# Altium PCB STM32F4 Control Board.PcbDoc (continued)
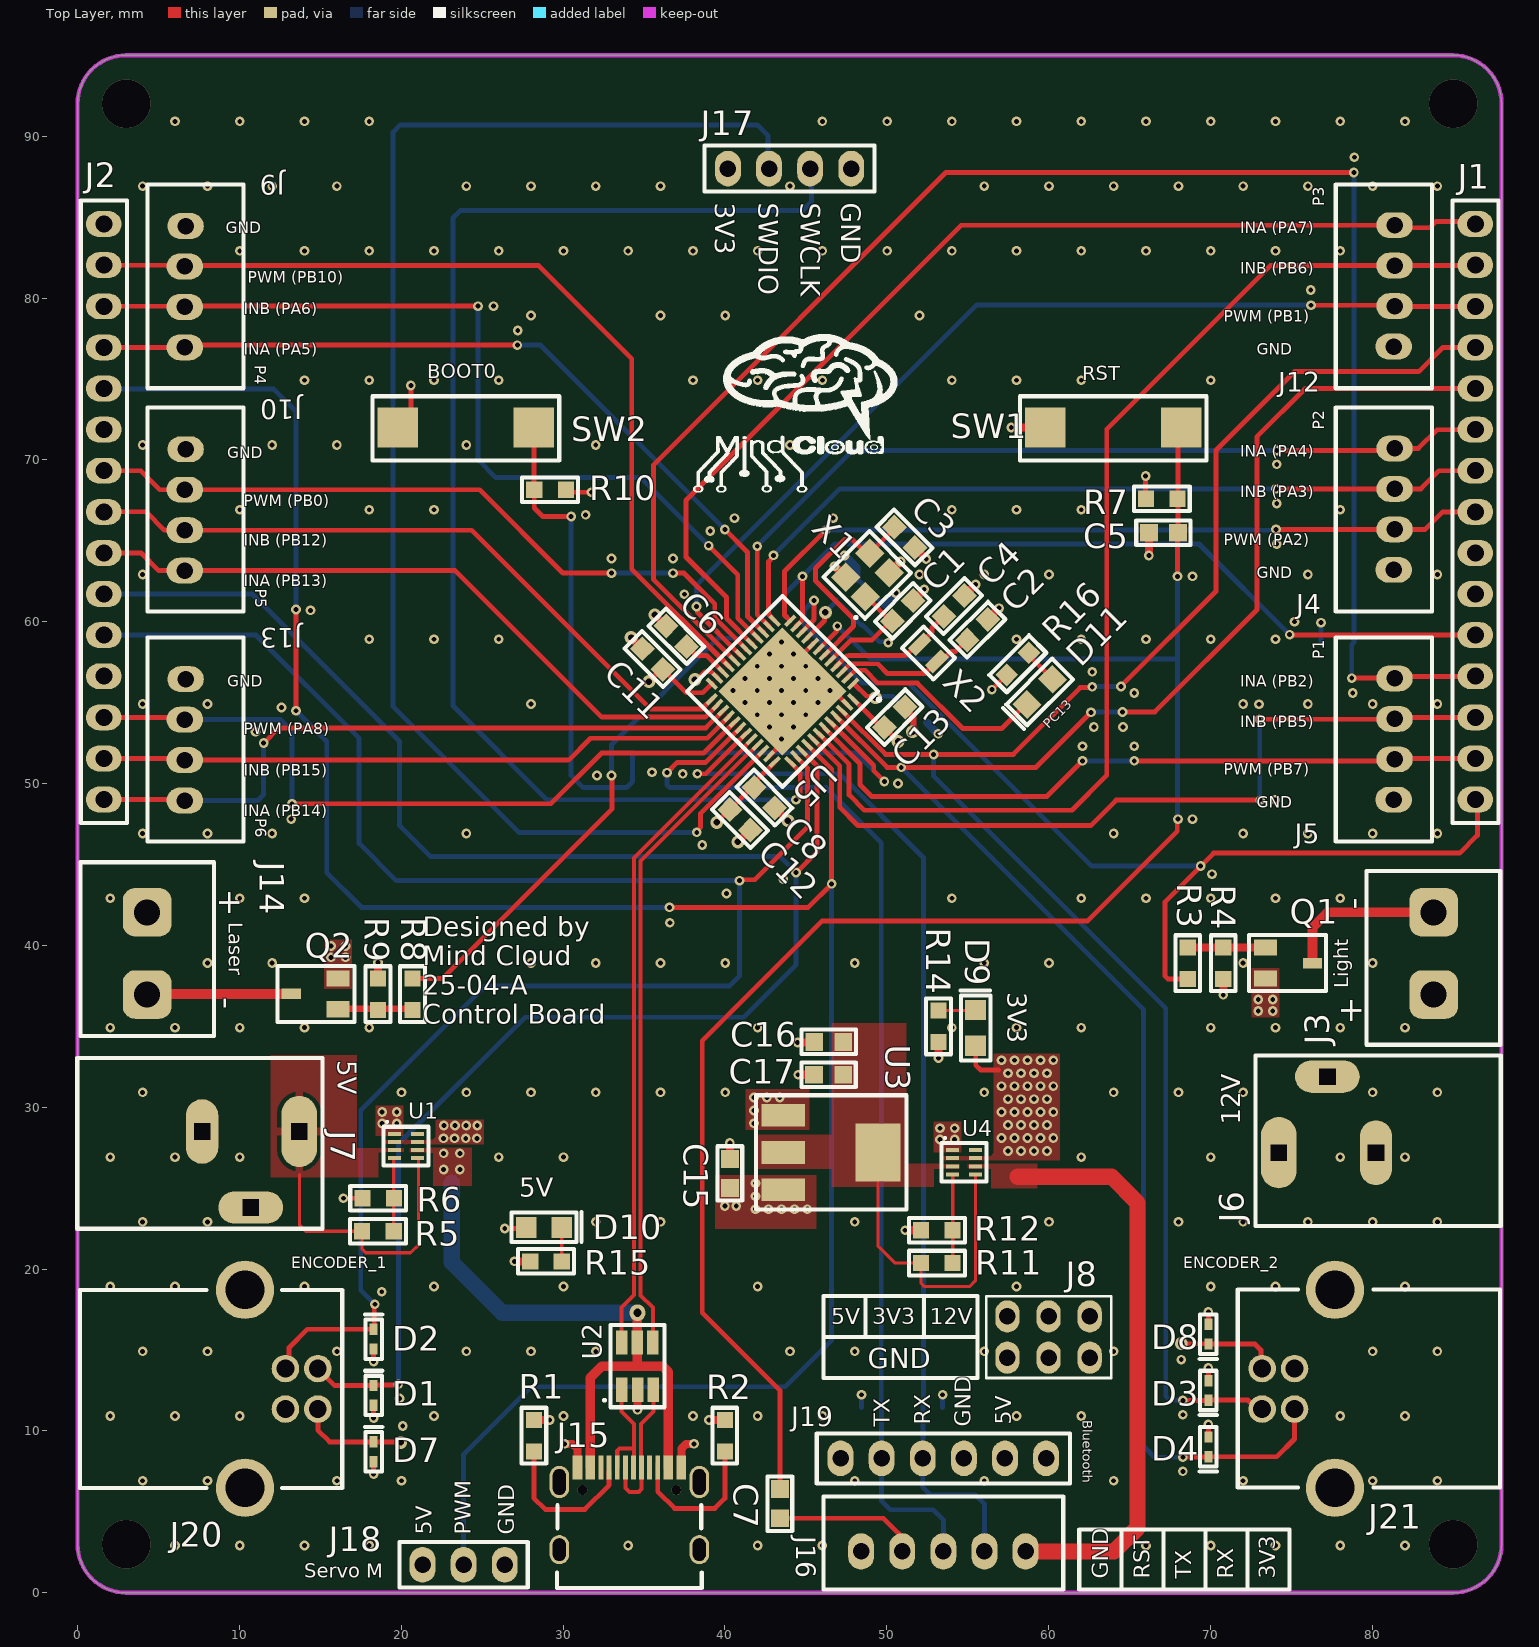
[diagram p0: Top Layer view]
## Footprints (in the part's own frame and the unit in brackets; to place one, negate y for a bottom-side part, rotate by r counter-clockwise, add the part's x,y. Pads: shape width x height; smd on the part's side, far side on the other; paste and mask are expansions set on the pad)
"1 N CHANNEL MOSFET" [mm]
  rect 1.2x0.65 smd: D(1.786,-0.142)
  rect 1.4x1 smd: G(-1.114,0.808) S(-1.114,-1.092)
  silkscreen extent -2.13,-1.88 2.62,1.6, body extent -1.13,-1.64 1.7,1.36, height 1.2
"2X3 PINS" [mm]
  oval 1.5x2 hole 1.02: 1(-2.54,-1.27) 2(0,-1.27) 3(2.54,-1.27) 4(2.54,1.27) 5(0,1.27) 6(-2.54,1.27)
  silkscreen extent -3.85,-2.52 3.88,2.52, body extent -3.84,-2.56 3.78,2.52, height 8.38
"25MHZ CRYSTAL OSCILLATORS" [mm]
  rect 1.3x1.3 smd: 1(-1.05,-0.85) 2(-1.05,0.85) 2(1.05,-0.85) 3(1.05,0.85)
  silkscreen extent -2.4,-1.8 2.01,1.83, body extent -1.6,-1.25 1.6,1.25, height 0.8
"32.768 KHZ CRYSTAL OSCILLATOR" [mm]
  rect 0.7x1.4 smd: 1(-0.75,0) 2(0.75,0)
  silkscreen extent -1.37,-0.94 1.35,0.94, body extent -1,-0.6 1,0.6, height 0.6
"0603 CAP" [mm] "Chip Capacitor, 2-Leads, Body 1.60x0.80mm, IPC Medium Density"
  rect 1.1x1.1 smd: 1(-0.9,0) 2(0.9,0)
  silkscreen extent -1.68,-0.76 1.68,0.76, body extent -0.8,-0.4 0.8,0.4, height 0.94
"0603 RES" [mm] "100mW Thick Film Resistors 75V ±100ppm/? ±5% 1kO 0603 Chip Resistor - Surface Mount ROHS"
  rect 1x1 smd: 1(-0.975,0) 2(0.975,0)
  silkscreen extent -1.73,-0.76 1.73,0.76, body extent -0.8,-0.4 0.8,0.4, height 0.45
"DC JACK" [mm]
  oval 2.2x4.4 hole 1 square: 1(5.154,0.928)
  oval 2x4 hole 1 square: 2(-0.846,0.928)
  oval 4x2 hole 1 square: 3(2.154,-3.772)
  silkscreen extent -8.56,-5.08 6.6,5.46, body extent -8.42,-3.91 6.18,5.44, height 11
"ESD PROTECTION DIODE" [mm]
  rect 0.7x0.5 smd: 1(-0.61,0) 2(0.61,0)
  silkscreen extent -1.22,-0.53 1.52,0.53, body extent -0.8,-0.4 0.8,0.4, height 0.77
"JST 4PIN" [mm]
  oval 1.6x2.25 hole 1.02: 1(-3.75,0.051) 2(-1.25,0) 3(1.25,0) 4(3.75,0)
  silkscreen extent -6.32,-2.31 6.27,3.63, body extent -6.2,-2.21 6.2,3.59, height 9.6
"JST 5 PIN 2.5 MM" [mm]
  oval 1.6x2.25 hole 1.02: 1(5.08,0) 2(2.54,0) 3(0,0) 4(-2.54,0) 5(-5.08,0)
  silkscreen extent -7.41,-2.35 7.41,3.4, body extent -7.44,-2.33 7.46,3.42, height 7
"LED 0805" [mm]
  rect 1.25x1.3 smd: 1(-1.1,0) 2(1.1,0)
  silkscreen extent -2.01,-0.91 2.31,0.94, body extent -1.03,-0.6 0.97,0.65, height 0.41
"PIN HEADER 3 PIN" [mm]
  oval 1.6x2.2 hole 1.02: 1(-2.54,0) 2(0,0) 3(2.54,0)
  silkscreen extent -3.96,-1.4 3.96,1.4, body extent -3.81,-1.2 3.81,1.2, height 8.38
"PIN HEADER 4PIN" [mm]
  oval 1.6x2.2 hole 1.02: 1(-3.81,0) 2(-1.27,0) 3(1.27,0) 4(3.81,0)
  silkscreen extent -5.26,-1.42 5.26,1.42, body extent -5.08,-1.27 5.08,1.27, height 9.5
"PIN HEADER 6 PIN" [mm] "3A Policy 2.5mm 6mm 4P -40℃~+105℃ 2.54mm Single Row 1x4P Plugin,P=2.54mm Pin Headers ROHS"
  oval 1.6x2.2 hole 1.02: 1(-6.35,0) 2(-3.81,0) 3(-1.27,0) 4(1.27,0) 5(3.81,0) 6(6.35,0)
  silkscreen extent -7.82,-1.55 7.82,1.55, body extent -7.62,-1.27 7.62,1.27, height 8.5
"PIN HEADERS 15 PIN" [mm]
  oval 1.6x2.2 hole 1.05 paste-2539.97 mask+0.05: 1(-17.78,0) 2(-15.24,0) 3(-12.7,0) 4(-10.16,0) 5(-7.62,0) 6(-5.08,0) 7(-2.54,0) 8(0,0) 9(2.54,0) 10(5.08,0) 11(7.62,0) 12(10.16,0) 13(12.7,0) 14(15.24,0) 15(17.78,0)
  silkscreen extent -19.23,-1.42 19.23,1.42, body extent -19.05,-1.27 19.05,1.27, height 9.5
"POWER DISTRIBUTION" [mm] "1.6V~5.5V 42mO 2.5A 1 SOT-583 Power Distribution Switches ROHS"
  rect 0.8x0.25 smd: 1(-0.72,0.75) 2(-0.72,0.25) 3(-0.72,-0.25) 4(-0.72,-0.75) 5(0.72,-0.75) 6(0.72,-0.25) 7(0.72,0.25) 8(0.72,0.75)
  silkscreen extent -1.4,-1.19 1.4,1.52, body extent -0.85,-1.05 0.75,1.05, height 0.6
"PUSH BUTTON" [mm]
  rect 2.5x2.5 smd: 1(-4.2,0) 2(4.2,0)
  silkscreen extent -5.77,-1.93 5.77,2.03, body extent -4.08,-1.8 3.92,1.9, height 2.5
ROZITA [mm]
  rrect50% 3x3 hole 1.6: 1(-2.54,0) 2(2.54,0)
  silkscreen extent -5.64,-4.11 5.11,4.14, body extent -5.62,-4.06 5.11,4.09, height 9.97
ST_LDO [mm] "SOT223, 4-Leads, Body 6.50x7.00mm (avg), Pitch 2.30mm, IPC Medium Density"
  rect 2.7x1.4 smd: 1(-2.925,2.3) 2(-2.925,0) 3(-2.925,-2.3)
  rect 2.8x3.6 smd: 2(2.925,0)
  silkscreen extent -4.6,-3.53 4.7,3.53, body extent -3.52,-3.35 3.77,3.35, height 1.81
"STM32 UFQFPN-48" [mm] "QFN, 48-Leads, Body 7.00x7.00mm, Pitch 0.50mm, Thermal Pad 5.60x5.60mm, IPC Medium Density"
  rect 0.85x0.25 smd paste-2539.97: 1(-3.425,2.75) 2(-3.425,2.25) 3(-3.425,1.75) 4(-3.425,1.25) 5(-3.425,0.75) 6(-3.425,0.25) 7(-3.425,-0.25) 8(-3.425,-0.75) 9(-3.425,-1.25) 10(-3.425,-1.75) 11(-3.425,-2.25) 12(-3.425,-2.75) 25(3.425,-2.75) 26(3.425,-2.25) 27(3.425,-1.75) 28(3.425,-1.25) 29(3.425,-0.75) 30(3.425,-0.25) 31(3.425,0.25) 32(3.425,0.75) 33(3.425,1.25) 34(3.425,1.75) 35(3.425,2.25) 36(3.425,2.75)
  rect 0.25x0.85 smd paste-2539.97: 13(-2.75,-3.425) 14(-2.25,-3.425) 15(-1.75,-3.425) 16(-1.25,-3.425) 17(-0.75,-3.425) 18(-0.25,-3.425) 19(0.25,-3.425) 20(0.75,-3.425) 21(1.25,-3.425) 22(1.75,-3.425) 23(2.25,-3.425) 24(2.75,-3.425) 37(2.75,3.425) 38(2.25,3.425) 39(1.75,3.425) 40(1.25,3.425) 41(0.75,3.425) 42(0.25,3.425) 43(-0.25,3.425) 44(-0.75,3.425) 45(-1.25,3.425) 46(-1.75,3.425) 47(-2.25,3.425) 48(-2.75,3.425)
  rect 5.6x5.6 smd: 47(0,0)
  silkscreen extent -4.17,-4.17 4.17,4.67, body extent -3.55,-3.55 3.55,3.55, height 0.6
"USB C ESD" [mm]
  rect 1.5x0.7 smd: 1(-1.46,0.978) 2(-1.46,-0.013) 3(-1.46,-0.978) 4(1.46,-0.953) 5(1.46,0.013) 6(1.46,0.978)
  silkscreen extent -2.54,-1.68 2.54,2.06, body extent -1.5,-1.52 1.5,1.52, height 1.45
"USB TYPE-C" [mm] "5A 1 16P Female Type-C SMD USB Connectors ROHS"
  oval 1.2x1.8 hole 0.8 slot 1.4 at 90 deg: 0(-4.325,-2.539) 0(4.325,-2.539)
  oval 1.2x2 hole 0.8 slot 1.6 at 90 deg: 0(-4.325,1.641) 0(4.325,1.641)
  rect 0.6x1.5 smd paste-100: 0(-3.21,2.539) 0(3.21,2.539) VBUS(-2.41,2.539) VBUS(2.41,2.539)
  rect 0.3x1.5 smd paste-100: A5(-1.25,2.539) A6(-0.25,2.539) A7(0.25,2.539) A8(1.25,2.539) B5(1.75,2.539) B6(0.75,2.539) B7(-0.75,2.539) B8(-1.75,2.539)
  round 0.6 hole 0.6: ""(-2.9,1.141) ""(2.9,1.141)
  silkscreen extent -4.47,-4.9 4.47,0.2, body extent -4.47,-5.07 4.47,2.83, height 3.24
USBB [mm]
  round 1.7 hole 1.1 copper offset 0,0: 1(1.25,2.25) 2(-1.25,2.25) 3(-1.25,0.25) 4(1.25,0.25)
  round 3.6 hole 2.4: 5(-6.116,-2.25) 5(6.116,-2.25)
  silkscreen extent -6.1,-12.45 6.14,3.76, body extent -7.24,-12.64 7.26,3.86, height 10.7

## Part data
C1 C2 C3 C4: library part 10pf, "50V 10pF NP0 ±5% 0603 Multilayer Ceramic Capacitors MLCC - SMD/SMT ROHS", Manufacture=YAGEO, Manufacture part number=CC0603JRNPO9BN100, supplier part number=C106245, Link=https://www.lcsc.com/product-detail/Multilayer-Ceramic-Capacitors-MLCC-SMD-SMT_YAGEO-CC0603JRNPO9BN100_C106245.html, Supplier=LCSC
C5 C7 C9 C10 C11 C12 C13 C15: "50V 100nF X7R ±10% 0603 Multilayer Ceramic Capacitors MLCC - SMD/SMT ROHS", Manufacture=YAGEO, Manufacture part number=CC0603KRX7R9BB104, supplier part number=C14663, Link=https://www.lcsc.com/product-detail/Multilayer-Ceramic-Capacitors-MLCC-SMD-SMT_YAGEO-CC0603KRX7R9BB104_C14663.html, Supplier=LCSC
C6 C8: "6.3V 4.7uF X5R ±20% 0603 Multilayer Ceramic Capacitors MLCC - SMD/SMT ROHS", Manufacture="Samsung Electro-Mechanics", Manufacture part number=CL10A475MQ8NNNC, supplier part number=C154959, Link=https://www.lcsc.com/product-detail/Multilayer-Ceramic-Capacitors-MLCC-SMD-SMT_Samsung-Electro-Mechanics-CL10A475MQ8NNNC_C154959.html?s_z=n_6.3V%25204.7uF%2520X5R%2520%25C2%25B120%2525%25200603%2520Multilayer%2520Ceramic%2520Capacitors%2520MLCC%2520-%2520SMD%252FSMT%2520ROHS, Supplier=LCSC
C14: "16V 1uF X5R ±10% 0603 Multilayer Ceramic Capacitors MLCC - SMD/SMT ROHS", Manufacture=HRE, Manufacture part number=CGA0603X5R105K160JT, supplier part number=C6119849, Link=https://www.lcsc.com/product-detail/Multilayer-Ceramic-Capacitors-MLCC-SMD-SMT_HRE-CGA0603X5R105K160JT_C6119849.html, Supplier=LCSC
C16 C17: "6.3V 10uF X5R ±20% 0603 Multilayer Ceramic Capacitors MLCC - SMD/SMT ROHS", Manufacture=YAGEO, Manufacture part number=CC0603MRX5R5BB106, supplier part number=C109454, Link=https://www.lcsc.com/product-detail/Multilayer-Ceramic-Capacitors-MLCC-SMD-SMT_YAGEO-CC0603MRX5R5BB106_C109454.html, Supplier=LCSC
D1 D2 D3 D4 D5 D6 D7 D8: "SOT-5X3 ESD and Surge Protection (TVS/ESD) ROHS", Manufacture="Texas Instruments", Manufacture part number=ESD321DYAR, supplier part number=C20345394, Link=https://www.lcsc.com/product-detail/ESD-and-Surge-Protection-TVS-ESD_Texas-Instruments-ESD321DYAR_C20345394.html, Supplier=LCSC
D9 D10 D11: library part "RED LED", "20mA 8mcd Colorless Transparent Lens 617nm Red 2V 0805 LED Indication - Discrete ROHS", Manufacture=Kingbright, Manufacture part number=APT2012EC, supplier part number=C5879378, Link=https://www.lcsc.com/product-detail/LED-Indication-Discrete_Kingbright-APT2012EC_C5879378.html, Supplier=LCSC
J1 J2: "Gold 1kV 3A Straight Policy 2.5mm 6mm 15P -40℃~+105℃ 3mm 2.54mm Brass Black Single Row 1x15P Plugin,P=2.54mm Pin Headers ROHS", Manufacture=Megastar, Manufacture part number=ZX-PZ2.54-1-15PZZ, supplier part number=C7501269, Link=https://www.lcsc.com/product-detail/Pin-Headers_Megastar-ZX-PZ2-54-1-15PZZ_C7501269.html?s_z=n_pin%2520hea, Supplier=LCSC
J3 J14: "1x2P 18A -40℃~+105℃ 250V Green 12~30 Direct Insert 5.08mm 2.5 1 2 Plugin,P=5.08mm Screw Terminal Blocks ROHS", Manufacture=DORABO, Manufacture part number=DB128L-5.08-2P-GN-S, supplier part number=C395868, Link=https://www.lcsc.com/product-detail/Screw-Terminal-Blocks_DORABO-DB128L-5-08-2P-GN-S_C395868.html, Supplier=LCSC
J4 J5 J9 J10 J12 J13: "1x4P 4P XH Tin 4 -25℃~+85℃ 3A 1 2.5mm Copper Direct Insert Plugin,P=2.5mm Wire To Board Connector ROHS", Manufacture="Hong Cheng", Manufacture part number=HC-XH-4A-TW, supplier part number=C19273766, Link=https://www.lcsc.com/product-detail/Wire-To-Board-Connector_Hong-Cheng-HC-XH-4A-TW_C19273766.html?s_z=n_C19273766, Supplier=LCSC
J6: library part "DC Jak", "Bend-in DC Power Receptacle -20℃~+70℃ 2.5mm 6.5mm 5A 24V Plugin DC Power Connectors ROHS", Manufacture="XKB Connection", Manufacture part number=DC-005-5A-2.5, supplier part number=C381115, Link=https://www.lcsc.com/product-detail/DC-Power-Connectors_XKB-Connection-DC-005-5A-2-5_C381115.html?s_z=n_DC%2520Power%2520Receptacle%25202.5mm%25206.4mm%25205A%2520%2520Plugin%2520DC%2520Power%2520Connectors%2520ROHS, Supplier=LCSC
J7: "Bend-in DC Power Receptacle -20℃~+70℃ 2.5mm 6.5mm 5A 24V Plugin DC Power Connectors ROHS", Manufacture="XKB Connection", Manufacture part number=DC-005-5A-2.5, supplier part number=C381115, Link=https://www.lcsc.com/product-detail/DC-Power-Connectors_XKB-Connection-DC-005-5A-2-5_C381115.html?s_z=n_DC%2520Power%2520Receptacle%25202.5mm%25206.4mm%25205A%2520%2520Plugin%2520DC%2520Power%2520Connectors%2520ROHS, Supplier=LCSC
J8: "Straight 2.54mm 6mm 6P 3mm 2.54mm 双排 2x3P Plugin,P=2.54mm Pin Headers ROHS", LCSC Part #=C5383104, Manufacturer=HanElectricity, Mfr. Part #=2541WV-2x03P, Supplier=LCSC
J15: "5A 1 16P Female Type-C SMD USB Connectors ROHS", Manufacture="Korean Hroparts Elec", Manufacture part number=TYPE-C-31-M-12, supplier part number=C165948, Link=https://www.lcsc.com/product-detail/USB-Connectors_Korean-Hroparts-Elec-TYPE-C-31-M-12_C165948.html, Supplier=LCSC
J16: "1x5P 5P XH Tin 5 -25℃~+85℃ 3A 1 2.5mm Brass Direct Insert Plugin,P=2.5mm Wire To Board Connector ROHS", Manufacture=JST, Manufacture part number=B5B-XH-A(LF)(SN), supplier part number=C157991, Link=https://www.lcsc.com/product-detail/Wire-To-Board-Connector_JST-B5B-XH-A-LF-SN_C157991.html, Supplier=LCSC
J17: "3A Policy 2.5mm 6mm 4P -40℃~+105℃ 2.54mm Single Row 1x4P Plugin,P=2.54mm Pin Headers ROHS", Manufacture=BXCONN, Manufacture part number=A254UP-ZD04P, supplier part number=C41413833, Link=https://www.lcsc.com/product-detail/Pin-Headers_BXCONN-A254UP-ZD04P_C41413833.html, Supplier=LCSC
J18: library part "Pin Header 3pin", "3A Straight 3P -65℃~+125℃ 2.54mm Black Single Row Phosphor Bronze Plugin,P=2.54mm Pin Headers ROHS", Manufacture="Amphenol ICC", Manufacture part number=68001-203HLF, supplier part number=C5346215, Link=https://www.lcsc.com/product-detail/Pin-Headers_Amphenol-ICC-68001-203HLF_C5346215.html?s_z=n_Pin%2520Header%25201x3%2520TH%2520Pitch%25202.54mm, Supplier=LCSC
J19: "Straight Policy 2.5mm 6P 6mm -40℃~+105℃ 3mm 2.54mm Single Row Black Brass 1x6P Plugin,P=2.54mm Pin Headers ROHS", Manufacture=XFCN, Manufacture part number=PZ254V-11-06P, supplier part number=C492405, Link=https://www.lcsc.com/product-detail/Pin-Headers_XFCN-PZ254V-11-06P_C492405.html?s_z=n_Connectors%257CPin%2520Headers, Supplier=LCSC
J20 J21: library part "USBB R04P-F000", "USB 2.0 1 4P Female Type-B Plugin USB Connectors ROHS", Manufacture="Ckmtw(Shenzhen Cankemeng)", Manufacture part number=U-USBBR04P-F000, supplier part number=C189733, Link=https://www.lcsc.com/product-detail/USB-Connectors_Ckmtw-Shenzhen-Cankemeng-U-USBBR04P-F000_C189733.html?s_z=n_usbb, Supplier=lcsc
Q1 Q2: "20V 7A 1.25W 10mΩ@4.5V,7A 500mV 1 N-channel SOT-23-3L MOSFETs ROHS", Manufacture=Siliup, Manufacture part number=SP20N09T1, supplier part number=C41354900, Link=https://www.lcsc.com/product-detail/MOSFETs_Siliup-SP20N09T1_C41354900.html, Supplier=LCSC
R1 R2: library part "RES 5.1 K", "100mW Thin Film Resistor 75V ±25ppm/℃ ±0.1% 5.1kΩ 0603 Chip Resistor - Surface Mount ROHS", Manufacture=YAGEO, Manufacture part number=RT0603BRD075K1L, supplier part number=C122969, Link=https://www.lcsc.com/product-detail/Chip-Resistor-Surface-Mount_YAGEO-RT0603BRD075K1L_C122969.html, Supplier=LCSC
R3 R8 R15 R16: library part "RES 1K ohm", "100mW Thick Film Resistors 75V ±100ppm/℃ ±5% 1kΩ 0603 Chip Resistor - Surface Mount ROHS", Manufacture=FOJAN, Manufacture part number="FRC0603J102 TS", supplier part number=C2907113, Link=https://www.lcsc.com/product-detail/Chip-Resistor-Surface-Mount_FOJAN-FRC0603J102-TS_C2907113.html, Supplier=LCSC
R4 R5 R6 R7 R9 R10 R11 R12 R13: library part "RES 10kohm", "100mW Thin Film Resistor 75V ±25ppm/℃ ±0.1% 10kΩ 0603 Chip Resistor - Surface Mount ROHS", Manufacture=YAGEO, Manufacture part number=RT0603BRD0710KL, supplier part number=C95204, Link=https://www.lcsc.com/product-detail/Chip-Resistor-Surface-Mount_YAGEO-RT0603BRD0710KL_C95204.html?s_z=n_100mW%2520Thin%2520Film%2520Resistor%252075V%2520%25C2%25B125ppm%252F%25E2%2584%2583%2520%25C2%25B10.1%2525%252010k%25CE%25A9%25200603%2520Chip%2520Resistor%2520-%2520Surface%2520Mount%2520ROHS, Supplier=LCSC
R14: library part "RES 330 ohm", "100mW Thick Film Resistors 75V ±100ppm/℃ ±5% 330Ω 0603 Chip Resistor - Surface Mount ROHS", Manufacture=FOJAN, Manufacture part number="FRC0603J331 TS", supplier part number=C2907152, Link=https://www.lcsc.com/product-detail/Chip-Resistor-Surface-Mount_FOJAN-FRC0603J331-TS_C2907152.html, Supplier=LCSC
SW1 SW2: "None Without bracket 50mA 6.1mm 30,000 Times 250gf 12V 3.7mm 2.5mm Rectangle button Standing paste SPST SMD,3.7x6.1mm Tactile Switches ROHS", Manufacture="HYP (Hongyuan Precision)", Manufacture part number=1TS002E-2500-2500-CT, supplier part number=C329185, Link=https://www.lcsc.com/product-detail/Tactile-Switches_HYP-Hongyuan-Precision-1TS002E-2500-2500-CT_C329185.html, Supplier=LCSC
U1: library part "power distribution", "1.6V~5.5V 42mΩ 2.5A 1 SOT-583 Power Distribution Switches ROHS", Manufacture="Texas Instruments", supplier part number=C3235557, Link=https://www.lcsc.com/product-detail/Power-Distribution-Switches_Texas-Instruments-TPS2116DRLR_C3235557.html, Manufacture part number=TPS2116DRLR, Supplier=LCSC
U2: library part "usb tybc esd", "SOT-23-6 ESD and Surge Protection (TVS/ESD) ROHS", Manufacture="TECH PUBLIC", Manufacture part number=TPUSBLC6-2SC6, supplier part number=C558442, Link=https://www.lcsc.com/product-detail/ESD-and-Surge-Protection-TVS-ESD_TECH-PUBLIC-TPUSBLC6-2SC6_C558442.html, Supplier=LCSC
U3: library part "ST LDO 3.3 regulator", "1A Fixed 3.3V Positive electrode 15V SOT-223-4 Voltage Regulators - Linear, Low Drop Out (LDO) Regulators ROHS", Manufacture=STMicroelectronics, Manufacture part number=LD1117AS33TR, supplier part number=C115288, Link=https://www.lcsc.com/product-detail/Voltage-Regulators-Linear-Low-Drop-Out-LDO-Regulators_STMicroelectronics-LD1117AS33TR_C115288.html, Supplier=LCSC
U4: library part "power distribution", "1.6V~5.5V 42mΩ 2.5A 1 SOT-583 Power Distribution Switches ROHS", Manufacture="Texas Instruments", Manufacture part number=TPS2116DRLR, supplier part number=C3235557, Link=https://www.lcsc.com/product-detail/Power-Distribution-Switches_Texas-Instruments-TPS2116DRLR_C3235557.html, Supplier=LCSC
U5: library part "STMicroelectronics STM32F411CEU6", "ARM-M4 100MHz UFQFPN-48(7x7) Microcontrollers (MCU/MPU/SOC) ROHS", Manufacture=STMicroelectronics, Manufacture  part number=STM32F411CEU6, Supplier part numberSupplier part number=C60420, Link=https://www.lcsc.com/product-detail/Microcontrollers-MCU-MPU-SOC_STMicroelectronics-STM32F411CEU6_C60420.html?s_z=n_STM32F411CEU6, Supplier=LCSC
X1: library part "25MHZ Crystal oscillator", "25MHz Surface Mount Crystal 8pF ±10ppm ±30ppm SMD3225-4P Crystals ROHS", Manufacture="Shenzhen SCTF Elec", Manufacture part number=SX3B25.000F0810G30, supplier part number=C7302032, Link=https://www.lcsc.com/product-detail/Crystals_Shenzhen-SCTF-Elec-SX3B25-000F0810G30_C7302032.html, Supplier=LCSC
X2: library part "32.768 KHZ Crystal oscillator", "32.768kHz Surface Mount Crystal 7pF ±20ppm SMD2012-2P Crystals ROHSS.", Manufacture="Seiko Epson", Manufacture part number=X1A0000610006, supplier part number=C99009, Link=https://www.lcsc.com/product-detail/Crystals_Seiko-Epson-X1A0000610006_C99009.html, Supplier=LCSC

## Via types
v1: diameter 0.6, hole 0.3, Top Layer to Bottom Layer, tented both sides, 469 vias
v2: diameter 0.8, hole 0.4, Top Layer to Bottom Layer, tented both sides, 13 vias
v3: diameter 3, hole 3, Top Layer to Bottom Layer, 4 vias
v4: diameter 1, hole 0.5, Top Layer to Bottom Layer, tented both sides, 1 vias

## Nets (pads, with @x,y where several pads share a name; then routed paths per layer and width w, separated by ;. In a path a pad name is that pad's centre, name@x,y a point inside that pad or via, vN(x,y) a via of type N, cw(c..) or ccw(c..) an arc to the next point about the centre after c; other vN are vias at no path point)
3.3_1: C16.1 C17.1 R11.2 U3.2 U4.3 U4.5 | length 20.3
  Top Layer w0.2: U3.2@49.458,27.206 49.458,21.442 50.532,20.368 R11.2 52.125,19.125 52.333,18.917 55.117,18.917 55.495,19.295 U4.5
3.3_2: J16.1 U4.6 | length 35.7
  Top Layer w1: 58.1,25.7 63.9,25.7 65.5,24.1 65.5,4 64.05,2.55 J16.1
+5: C15.2 D7.2 D8.2 D10.1 J8.6 J14.1 J18.1 J19.2 J20.1 J21.1 U1.2 U1.7 U3.3 | length 14.6
  Top Layer w0.3: J20.1 14.85,10.05 15.58,9.32 D7.2 ; D7.2@18.317,9.303 v2@19.958,9.303 ; v1(26.4,22.5) 27.65,22.5 D10.1 ; v2(68.2,15.4) 68.217,15.383 69.858,15.383 D8.2 72.76,15.365 73.125,15 73.125,13.925 J21.1
  Top Layer w0.6: J20.1 J20.1@15.148,11.35
  other v1: 41.9,23.7 42.7,23.7 43.5,23.7 44.3,23.7 45.1,23.7 40,23.9 40.7,23.9 41.9,24.5 41.9,25.3 22.613,28.075 23.3,28.075 23.987,28.075 24.675,28.075 22.638,28.875 23.325,28.875 24.012,28.875 24.7,28.875
  other v2: 19.975,9.286
+12: J3.1 J6.1 J8.4 | length 17.2
  Int2 (PWR) w1: J8.4 62.54,21.34 65.3,24.1 74.3,24.1
BOOT0: R10.1 SW2.1 U5.44 | length 50.8
  Top Layer w0.3: SW2.1 28.2,68.175 R10.1 28.225,67.025 28.75,66.5 v1(30.5,66.5) ; U5.44 49.2,51.117 49.2,50.789 v1(49.856,50.132)
  Bottom Layer w0.3: v1(30.5,66.5) 30.5,50.5 31.25,49.75 33.925,49.75 34.3,50.125 34.3,51.724 34.476,51.9 48.089,51.9 v1(49.856,50.132)
CC1: J15.A5 R1.1 | length 9.3
  Top Layer w0.3: R1.1 28.2,5.85 28.9,5.15 31.35,5.15 32.85,6.65 J15.A5@32.85,7.5
CC2: J15.B5 R2.1 | length 9.5
  Top Layer w0.3: J15.B5@35.85,8 35.85,6.25 36.893,5.207 39.382,5.207 40,5.825 R2.1
control_laser: J1.5 R8.1 U5.11 | length 84.8
  Top Layer w0.3: R8.1 22.56,37.96 33.02,48.42 33.02,50.48 v1(33,50.5) ; U5.11 44.807,60.121 44.807,62.793 v1(44.8,62.8) ; v1(74.9,59.2) 74.918,59.183 86.432,59.183 J1.5@86.45,59.165
  Bottom Layer w0.3: v1(33,50.5) 33,52.411 39.564,58.974 40.975,58.974 v1(44.8,62.8) 46.8,64.8 69.3,64.8 v1(74.9,59.2)
control_Led: J1.1 R3.1 U5.10 | length 64.2
  Top Layer w0.3: U5.10 45.511,60.118 v1(45.511,61.316) ; R3.1 67.376,37.925 67.2,38.101 67.2,42.7 v1(69.4,44.9) 70.2,45.7 85.4,45.7 86.5,46.8 J1.1@86.5,49.177
  Bottom Layer w0.3: v1(45.511,61.316) 44.89,60.695 44.89,59.815 48.5,56.204 51.365,56.204 62.669,44.9 v1(69.4,44.9)
D_N: J15.A7 J15.B7 U2.1 | length 7.2
  Top Layer w0.25: J15.B7 33.35,8.754 33.496,8.9 34.317,8.9 34.392,8.975 ; U2.1 33.622,11.184 34.392,10.414 34.392,8.975 ; J15.A7@34.35,7.8 34.375,7.825 34.375,8.475 34.375,8.685 34.392,8.701 34.392,8.975
D_P: J15.A6 J15.B6 U2.3 | length 8.9
  Top Layer w0.25: J15.A6 33.85,6.475 34.1,6.225 34.679,6.225 34.85,6.397 34.85,7.8 34.825,7.825 34.825,8.475 34.825,8.685 34.808,8.701 34.808,10.414 35.578,11.184 U2.3
ENCODER1+: D2.2 J2.11 J20.3 U5.38 | length 113
  Top Layer w0.3: J20.3@13.075,14.075 13.075,15.15 14.205,16.28 D2.2 18.337,16.317 18.337,17.788 v1(18.375,17.825) ; v1(40.9,44) 40.957,44.057 41.857,44.057 45.1,47.3 45.1,50.974 U5.38
  Bottom Layer w0.3: J2.11 11.03,59.17 17.4,52.8 17.4,46.3 19.7,44 v1(40.9,44) 40.9,38.1 40.3,37.5 25.2,37.5 17.5,29.8 17.5,18.7 v1(18.375,17.825)
ENCODER1-: D1.2 J2.10 J20.2 U5.39 | length 116.6
  Top Layer w0.3: J20.2 15.9,12.8 D1.2 18.337,12.838 19.787,12.838 v1(19.825,12.875) ; v1(44.4,44.5) 45.7,45.8 45.7,51.081 U5.39
  Bottom Layer w0.3: J2.10 10.79,61.71 19.9,52.6 19.9,47.4 21.804,45.496 43.404,45.496 v1(44.4,44.5) 44.4,38.8 41.16,35.56 27.66,35.56 19.825,27.725 v1(19.825,12.875)
ENCODER2+: D4.2 J1.11 J21.3 U5.45 | length 117
  Top Layer w0.3: U5.45 50.024,51 59.225,51 v1(62.625,54.4) ; v1(64.575,54.425) 66.575,54.425 72.875,60.725 72.875,71.425 75.86,74.41 J1.11 ; v1@68.165,8.39 69.86,8.39 D4.2 74.106,8.406 75.2,9.5 J21.3
  Bottom Layer w0.3: v1(50.9,51) 65.875,36.025 65.875,9.05 66.55,8.375 v1@68.15,8.375 ; v1(62.625,54.4) 62.65,54.425 v1(64.575,54.425) ; J21.3 J21.3@75.344,11.494
  other v1: 68.3,8.375
ENCODER2-: D3.2 J1.12 J21.2 U5.46 | length 107.7
  Top Layer w0.3: U5.46 49.931,51.8 57.825,51.8 61.95,55.925 62.65,55.925 v1(62.7,55.975) ; v1(64.475,56) 70.35,61.875 70.35,70.6 75.2,75.45 82.875,75.45 84.375,76.95 J1.12 ; v1@68.305,11.88 69.87,11.88 D3.2 69.889,11.9 72.324,11.9 72.874,11.35 J21.2
  Bottom Layer w0.3: v1(52.9,51.8) 52.9,50.46 67.247,36.113 67.247,12.153 67.5,11.9 68.275,11.9 v1(68.3,11.875) ; v1(62.7,55.975) 62.712,55.988 64.462,55.988 v1(64.475,56)
GND: C1.2 C2.2 C3.2 C4.2 C5.1 C6.2 C8.1 C9.2 C10.2 C11.2 C12.2 C13.2 C14.2 C15.1 C16.2 C17.2 D1.1 D2.1 D3.1 D4.1 D5.1 D6.1 D7.1 D8.1 J1.7 J2.6 J2.12 J4.1 J5.1 J6.2 J6.3 J7.2 J7.3 J8.1 J8.2 J8.3 J9.1 J10.1 J12.1 J13.1 J15.0 J16.5 J17.4 J18.3 J19.3 J20.4 J20.5 J21.4 J21.5 Q1.S Q2.S R1.2 R2.2 R4.1 R6.1 R9.1 R10.2 R12.1 R13.1 R14.1 R15.2 SW1.2 U1.1 U2.2 U3.1 U4.1 U5.8 U5.23 U5.35 U5.47 X1.2 | length 61.3
  Top Layer w0.3: v1(16.429,24.371) R6.1 ; v1(18.3,7.32) D7.1 ; v1(18.3,10.8) D1.1 ; v1(18.3,14.28) D2.1 ; R10.2@30.275,68.25 30.525,68 v1(31.75,68) ; v2(38.154,56.428) 38.29,56.428 38.772,56.91 39.164,56.91 U5.23 ; U5.35 43.5,52.45 43.5,55.632 U5.47@43.562,55.694 ; U5.8 43.562,56.755 U5.47@43.562,55.694 ; U5.47@47.575,54.863 46.688,55.75 43.618,55.75 U5.47@43.562,55.694 ; D4.1 v1(69.875,10.406) ; D3.1 v1(69.875,13.886) ; D8.1 v1(69.875,17.365)
  Top Layer w0.4: C13.2 51.136,54.613 51.657,54.092 51.657,53.257 v2(51.6,53.2)
  Top Layer w0.5: R9.1 v1(18.568,38.943) ; v1(26.992,20.475) R15.2 ; R1.2 v1(29.183,10.675) ; v1(30.1,9.2) 30.597,9.2 30.89,8.907 J15.0@30.89,7.739 ; v2(34.203,59.024) C11.2 ; v1(34.6,11.3) 34.606,11.306 34.606,12.533 U2.2 ; v2(35.669,60.431) C6.2 ; J15.0@37.31,7.739 37.31,8.907 37.603,9.2 v1(38.1,9.2) ; v1(39.017,10.675) R2.2 ; C15.1 v1(40.31,27.791) ; v2(40.8,46.4) 40.829,46.4 41.548,47.118 C12.2@41.566,47.118 ; C8.1 43.091,48.494 43.885,47.7 v2(43.9,47.7) ; v1(44.5,34) C16.2@45.483,34 ; v1(44.528,32.007) C17.2 ; v1(46.77,63.433) X1.2@47.465,62.738 ; X1.2@50.152,63.021 v1(50.847,63.716) ; v1(51.142,22.4) R12.1 ; C1.2 v1(52.323,62.001) ; C3.2 v1(52.442,63.88) ; v1(53.2,33.042) R14.1 ; C4.2 v1(55.497,62.301) ; C2.2 v1(56.945,60.837) ; v1(57.7,72) SW1.2 ; v1(66.2,64.096) C5.1 ; v1(70.8,36.942) R4.1
  Bottom Layer w0.3: C14.2 48.209,62.636 C10.2 C10.2@49.873,61.073 ; D6.1 v1(48.44,12.231) ; C9.2 52.486,53.764 C9.2@52.535,53.764 ; D5.1 v1(53.46,12.231) ; v1(76.835,59.944) 76.835,58.715 R13.1
  Bottom Layer w0.5: v1(47.392,64.096) 48.136,63.351 C14.2 ; C10.2@49.873,61.073 v1(50.568,61.768) ; C9.2@52.486,53.764 v1(53.181,53.069)
  other v1: 6.026,2.916 10.026,2.916 14.026,2.916 18.026,2.916 34.026,2.916 42.026,2.916 46.026,2.916 66.026,2.916 70.026,2.916 74.026,2.916 78.026,2.916 82.026,2.916 4.026,6.916 8.026,6.916 16.026,6.916 20.026,6.916 48.026,6.916 56.026,6.916 64.026,6.916 72.026,6.916 80.026,6.916 84.026,6.916 68.3,7.5 20.1,10.3 2.026,10.916 6.026,10.916 10.026,10.916 22.026,10.916 30.026,10.916 38.026,10.916 42.026,10.916 46.026,10.916 58.026,10.916 62.026,10.916 78.026,10.916 82.026,10.916 68.3,11 19.9,12 68.2,14.4 4.026,14.916 8.026,14.916 16.026,14.916 24.026,14.916 28.026,14.916 32.026,14.916 44.026,14.916 48.026,14.916 56.026,14.916 64.026,14.916 80.026,14.916 84.026,14.916 18.8,18.6 2.026,18.916 6.026,18.916 14.026,18.916 22.026,18.916 30.026,18.916 42.026,18.916 58.026,18.916 70.026,18.916 74.026,18.916 82.026,18.916 4.026,22.916 8.026,22.916 32.026,22.916 36.026,22.916 48.026,22.916 60.026,22.916 68.026,22.916 72.026,22.916 76.026,22.916 80.026,22.916 84.026,22.916 2.026,26.916 6.026,26.916 10.026,26.916 26.026,26.916 30.026,26.916 62.026,26.916 70.026,26.916 78.026,26.916 82.026,26.916 53.3,28 54.2,28 53.3,28.7 54.2,28.7 18.825,29 19.725,29 41.803,29.003 18.825,29.7 19.725,29.7 41.803,29.803 41.803,30.606 42.597,30.606 43.394,30.606 4.026,30.916 20.026,30.916 24.026,30.916 28.026,30.916 32.026,30.916 36.026,30.916 40.026,30.916 56.026,30.916 64.026,30.916 68.026,30.916 72.026,30.916 80.026,30.916 84.026,30.916 2.026,34.916 6.026,34.916 10.026,34.916 14.026,34.916 18.026,34.916 42.026,34.916 54.026,34.916 58.026,34.916 62.026,34.916 70.026,34.916 74.026,34.916 78.026,34.916 82.026,34.916 72.955,35.95 73.855,35.95 72.955,36.65 73.855,36.65 8.026,38.916 12.026,38.916 28.026,38.916 32.026,38.916 36.026,38.916 40.026,38.916 48.026,38.916 56.026,38.916 60.026,38.916 72.026,38.916 80.026,38.916 15.657,39.26 16.557,39.26 15.657,39.96 16.557,39.96 36.6,41.4 2.026,42.916 10.026,42.916 14.026,42.916 54.026,42.916 62.026,42.916 66.026,42.916 70.026,42.916 74.026,42.916 78.026,42.916 40.1,43.2 43.6,44.1 70.1,44.4 38.6,46.2 4.026,46.916 8.026,46.916 12.026,46.916 24.026,46.916 64.026,46.916 72.026,46.916 76.026,46.916 80.026,46.916 84.026,46.916 13.2,47.8 68.9,47.8 74,49 50.7,50 32.1,50.5 37.4,50.6 35.5,50.7 62.1,52.3 65.3,52.3 43.5,52.75 11,53.2 42.75,53.5 44.25,53.5 62.8,53.5 64.6,53.5 42,54.25 43.5,54.25 45,54.25 12.6,54.7 73,54.9 4.026,54.916 8.026,54.916 28.026,54.916 72.026,54.916 76.026,54.916 80.026,54.916 84.026,54.916 41.25,55 42.75,55 44.25,55 45.75,55 65.3,55.6 78.8,55.6 40.5,55.75 42,55.75 43.5,55.75 45,55.75 46.5,55.75 41.25,56.5 42.75,56.5 44.25,56.5 45.75,56.5 62.7,56.9 42,57.25 43.5,57.25 45,57.25 42.75,58 44.25,58 43.5,58.75 18.026,58.916 22.026,58.916 26.026,58.916 58.026,58.916 62.026,58.916 66.026,58.916 70.026,58.916 74.026,58.916 75.2,60 14.4,60.7 37.5,61.7 68.9,62.8 4.026,62.916 52.026,62.916 56.026,62.916 60.026,62.916 76.026,62.916 84.026,62.916 33,63.9 36.8,63.9 74.1,64.8 39.1,65.6 40.6,66.4 46.7,66.4 31.4,66.6 10.026,66.916 18.026,66.916 22.026,66.916 54.026,66.916 58.026,66.916 62.026,66.916 78.026,66.916 74.1,67.3 74.1,69.721 4.026,70.916 12.026,70.916 16.026,70.916 24.026,70.916 32.026,70.916 44.026,70.916 14.026,74.916 18.026,74.916 22.026,74.916 26.026,74.916 38.026,74.916 42.026,74.916 46.026,74.916 54.026,74.916 58.026,74.916 62.026,74.916 70.026,74.916 27.2,78 28.026,78.916 36.026,78.916 40.026,78.916 52.026,78.916 25.7,79.5 76.2,80.5 10.026,82.916 14.026,82.916 18.026,82.916 22.026,82.916 26.026,82.916 30.026,82.916 34.026,82.916 38.026,82.916 42.026,82.916 46.026,82.916 50.026,82.916 54.026,82.916 58.026,82.916 62.026,82.916 66.026,82.916 70.026,82.916 74.026,82.916 78.026,82.916 4.026,86.916 8.026,86.916 12.026,86.916 16.026,86.916 24.026,86.916 28.026,86.916 32.026,86.916 36.026,86.916 44.026,86.916 56.026,86.916 60.026,86.916 64.026,86.916 68.026,86.916 72.026,86.916 76.026,86.916 80.026,86.916 84.026,86.916 78.9,88.7 6.026,90.916 10.026,90.916 14.026,90.916 18.026,90.916 46.026,90.916 50.026,90.916 54.026,90.916 58.026,90.916 62.026,90.916 66.026,90.916 70.026,90.916 74.026,90.916 78.026,90.916 82.026,90.916